# Altium PCB Quark.PcbDoc (part 2 of 3)
Units mil, origin at the board's own origin, x right, y up, seen from the top; angles counter-clockwise.
Board outline 1220.47 x 944.88 mil, 6 copper layers (Top1, Signal2, Gnd3, Power4, Signal5, Bottom6), stack 32.534 mil thick; 106 components, 182 nets, 776 pads, 404 vias.
Unrouted connection lines stored in the file: 82.
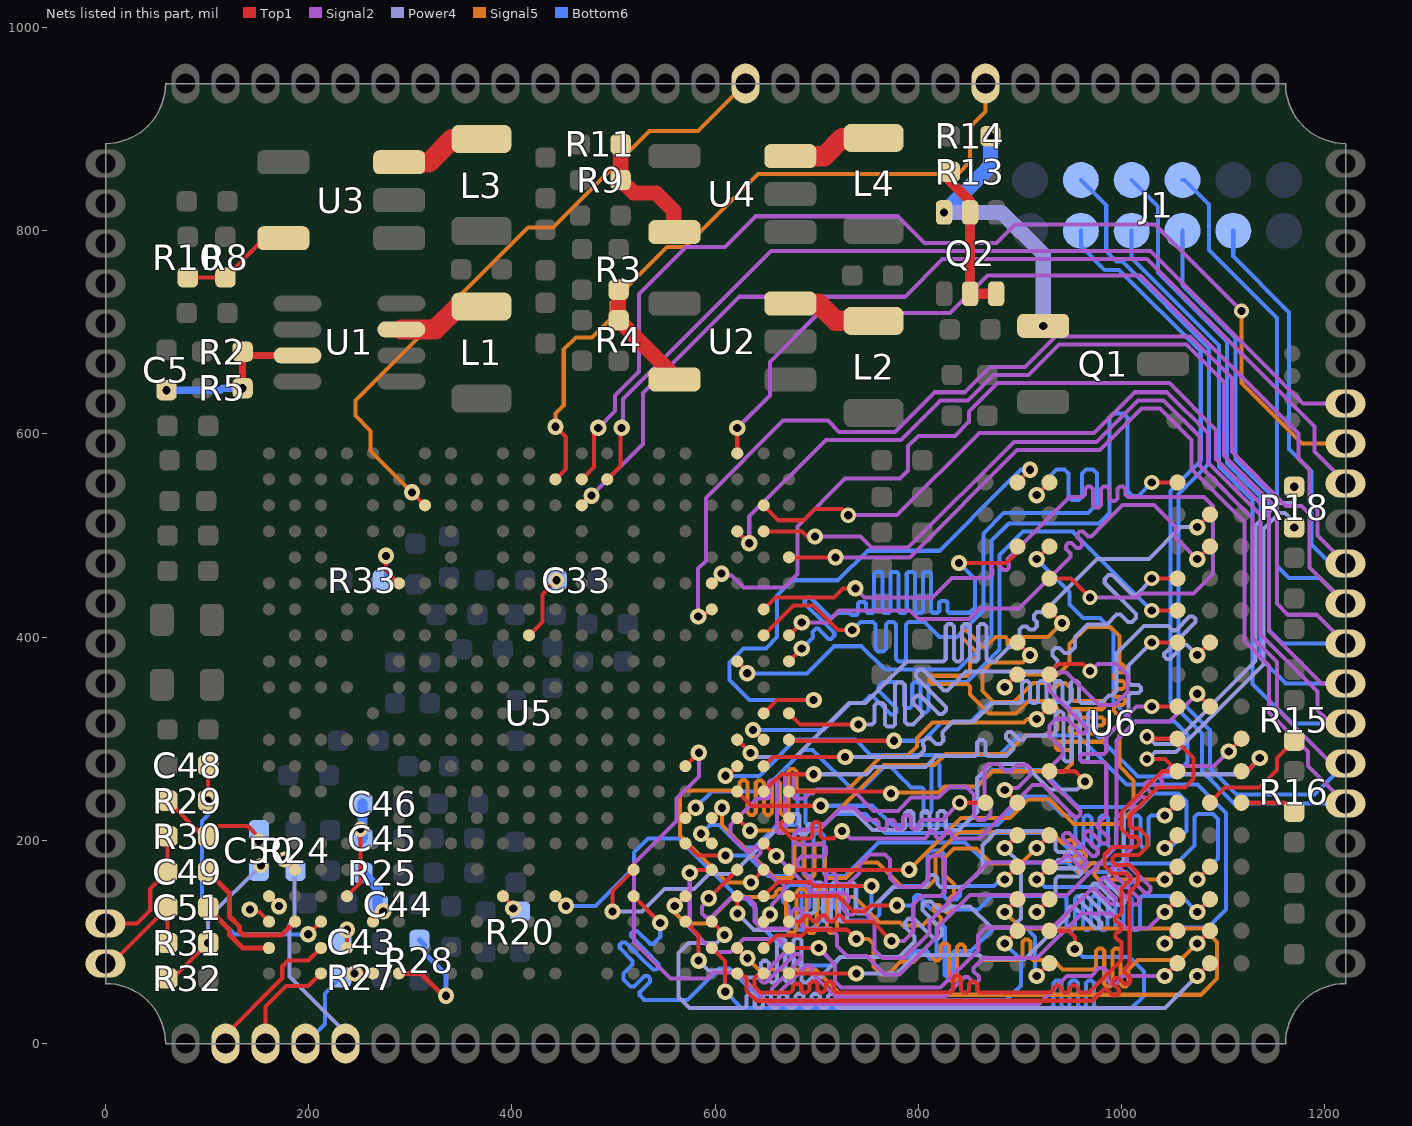
[diagram p6: the nets of this part, all layers, seen from the top]

## Via types
v1: diameter 16, hole 8, Top1 to Bottom6, tented both sides, 238 vias
v2: diameter 15, hole 8, Top1 to Bottom6, tented both sides, 166 vias

## Nets (pads, with @x,y where several pads share a name; then routed paths per layer and width w, separated by ;. In a path a pad name is that pad's centre, name@x,y a point inside that pad or via, vN(x,y) a via of type N, cw(c..) or ccw(c..) an arc to the next point about the centre after c; other vN are vias at no path point) (continued)
I2C0_SDA: pad.62 U5.C13 | length 992.3
  Top1 w4: U5.C13@468.77,529.72 v1(478.27,539.22) v1@481.27,542.22
  Signal2 w4: v1(478.27,539.22) 529,589.95 529,640.31 623.69,735 787,735 824,772 1025.25,772 1190,607.25 1190,582.63 1220.47,552.15 pad.62@1220.47,551.18
I2C1_SCL: pad.63 U5.B13 | length 1082.4
  Top1 w4: U5.B13@468.77,555.32 481,567.54 481,601 v1@486,606
  Signal2 w4: v1(485,606) 501.4,622.4 501.4,637.71 525,661.31 525,737.69 571.31,784 609.63,784 639.85,814.22 779.78,814.22 806,788 877,788 895,806 1033,806 v2(1118,721)
  Signal5 w4: v2(1118,721) 1118,650 1177.45,590.55 pad.63@1220.47,590.55
I2C1_SDA: pad.64 U5.B14 | length 919.1
  Top1 w4: U5.B14@493.77,555.32 507,568.54 507,605 v1(508,606)
  Signal2 w4: v1(508,606) 509.4,607.4 509.4,634.4 655,780 1028.57,780 1178.65,629.92 pad.64@1220.47,629.92
I2C2_SCL: pad.78 U5.B12 | length 708.1
  Top1 w4: U5.B12@442.77,555.32 453,565.54 453,597 v1(443,607)
  Signal5 w4: v1(443,607) 443,620 451,628 451,683 463,695 479,695 498,714 498,729.31 552.69,784 570.37,784 606.37,820 640.87,854.5 642.37,856 721.15,856 745.63,856 768.31,856 839,856 851,868 851,902 866.14,917.14 pad.78@866.14,944.88
I2C2_SDA: pad.84 U5.C7 | length 644.7
  Top1 w4: v1(301.61,542.52) U5.C7@314.41,529.72
  Signal5 w4: v1(301.61,542.52) 261,583.13 261,603 246,618 246,632.94 416.06,803 440.25,803 535.25,898 583.04,898 pad.84@629.92,944.88
IR-RX: pad.26 R24.1 U5.U2 | length 216.9
  Top1 w4: v1@173.96,183.5 v1(176.36,181.1) U5.U2@186.46,171
  Power4 w4: v1(176.36,181.1) 186,171.46 186,122 181,117 181,66 pad.26@236.22,10.78
KEYADC: pad.25 R27.2 U5.AA5 | length 97.6
  Top1 w4: v1(245.23,69) U5.AA5@263.23,69
  Bottom6 w4: pad.25@196.85,0 216,19.15 216,49 R27.2@232,65
LINEINL: U5.V1 | length 18.1
  Top1 w4: U5.V1@160.87,145 v1@173.66,132.2
  other v1: 170.66,135.2
LINEINR: U5.W1 | length 23.7
  Top1 w4: v1(142.07,131.8) 144.37,129.5 151.37,129.5 U5.W1@160.87,120
LINEOUTL: pad.24 U5.AA3 | length 104.5
  Top1 w4: pad.24@157.48,0 157.48,36.48 177.5,56.5 199.55,56.5 U5.AA3@212.05,69
LINEOUTR: pad.23 U5.Y3 | length 143.2
  Top1 w4: pad.23@118.11,1.42 118.11,8.42 173.96,64.27 173.96,75.96 179.5,81.5 199.55,81.5 U5.Y3@212.05,94
MBIAS: C48.1 R29.2 U5.W3 | length 272.2
  Top1 w4: v2(101,239) C48.1@101,274 ; v1(199.55,107.5) U5.W3@212.05,120
  Bottom6 w4: v2(101,239) 101,225 95,219 95,140 127.5,107.5 v1(199.55,107.5)
MIC1N: C51.2 pad.21 R31.2 | length 118.9
  Top1 w4: pad.21@0,78.74 5.74,78.74 C51.2@61,134 R31.2@61,99
MIC1P: C49.2 pad.20 R30.1 | length 129.3
  Top1 w4: pad.20@0,118.11 31,118.11 44,131.11 44,152 C49.2@61,169 R30.1@61,204
MICIN1N: C51.1 U5.Y1 | length 79.9
  Top1 w5: C51.1@101,134 101,133 122,112 122,107 135,94 U5.Y1@160.87,94
MICIN1P: C49.1 U5.W2 | length 132.8
  Top1 w5: C49.1@101,169 122,148 122,125 132,115 132,110.27 135.27,107 173.46,107 U5.W2@186.46,120
NetC5_1: C5.1 R2.1 R5.2 U1.7 | length 161.9
  Top1 w7: v2(135,645) R2.1@135,681 ; R2.1@138.8,677.2 U1.7@188.82,677.2
  Bottom6 w7: v2(60,643) 113,643 115,645 v2(135,645)
NetC33_1: C33.1 U5.H11 | length 65.5
  Top1 w4: U5.H11@416.77,401.77 430,415 430,442 v2(444,456)
NetC43_1: C43.1 U5.Y4 | length 18
  Top1 w4: U5.Y4@237.64,94 v1(237.64,112)
NetC44_2: C44.2 R25.2 U5.W5 | length 57.9
  Top1 w4: U5.W5@263.23,120 v1(273.33,130.1) v1@275.73,132.5
  Bottom6 w10: R25.2@253,168 268,153 C44.2@268,134
NetC45_2: C45.2 C46.2 U5.V4 | length 105.5
  Top1 w4: U5.V4@237.64,145 251,158.36 v2(251,211)
  Bottom6 w10: C45.2@253,202 C46.2@253,236
NetC50_1: C50.1 R31.1 R32.2 | length 152.4
  Top1 w4: R32.2@61,64 66,64 v2(101,99)
  Power4 w4: v2(101,99) 101,123.32 v2(153,175.31)
NetC50_2: C50.2 R29.1 R30.2 | length 113.2
  Top1 w4: R29.1@61,239 96,204 R30.2@101,204 101.34,204 111.34,214 140,214 v2@151,203
  other v2: 151,199
NetL1_1: L1.1 U1.3 | length 88.1
  Top1 w20: U1.3@291.18,702.8 324.49,702.8 346.97,725.28 L1.1@370,725.28
NetL2_1: L2.1 U2.3 | length 89
  Top1 w20: U2.3@674.06,728.4 701.6,728.4 718.72,711.28 L2.1@756,711.28
NetL3_1: L3.1 U3.3 | length 90.4
  Top1 w20: U3.3@289.06,867.4 318.4,867.4 341.28,890.28 L3.1@370,890.28
NetL4_1: L4.1 U4.3 | length 89.3
  Top1 w20: U4.3@674.06,873.4 707.4,873.4 725.28,891.28 L4.1@756,891.28
NetQ1_1: Q1.1 Q2.3 R14.1 | length 279
  Power4 w15: v2(825.41,818) 882,818 922.94,777.06 v2(922.94,706.4)
  Bottom6 w15: v2(825.41,818) 871,863.59 v2(871,893)
NetQ2_2: Q2.2 Q2.5 Q2.6 R13.2 | length 153.9
  Top1 w10: R13.2@831,858 831,849 851,829 Q2.2@851,818 Q2.5@851,738 Q2.6@876.59,738
NetR3_2: R3.2 R4.2 U2.5 | length 111.2
  Top1 w10: U2.5@560.06,653.6 U2.5@560.06,656.94
  Top1 w15: R3.2@505,742 R4.2@505,712 U2.5@560.06,656.94
NetR8_2: R8.2 R10.2 U3.5 | length 110
  Top1 w4: R10.2@81,754 R8.2@118,754 156.6,792.6 U3.5@175.06,792.6
NetR9_1: R9.1 R11.2 U4.5 | length 121.8
  Top1 w10: U4.5@559.19,798.6 U4.5@560.06,798.6
  Top1 w15: R11.2@507,885 R9.1@507,850 520,837 542,837 559.19,819.81 U4.5@559.19,798.6
NetR15_1: R15.1 U6.L8 | length 115.3
  Top1 w4: U6.L8@1087,237 1102,252 1136,252 1153,269 1153,281 R15.1@1170,298
NetR16_1: R16.1 U6.L9 | length 55.7
  Top1 w4: U6.L9@1118,237 1159.66,237 1168.66,228 R16.1@1170,228
NetR20_1: R20.1 U5.V10 | length 17.7
  Top1 w4: U5.V10@391.18,145 v1@403.68,132.5
  other v1: 401.28,132.9
NetR28_2: R28.2 U5.AA6 | length 121.1
  Top1 w5: U5.AA6@288.82,69 310.38,69 332.38,47 v1(335,47)
  Bottom6 w5: R28.2@309,102 313.84,97.16 313.84,89.16 335,68 v1(335,47)
NetR33_2: R33.2 U5.F6 | length 65.6
  Top1 w4: v1@276,484 276,465.77 U5.F6@288.82,452.95
  Bottom6 w4: R33.2@273,456 276,459 v1@276,484
  other v1: 276,480
SA0: U5.T17 U6.N3 | length 757
  Top1 w4: U5.T17@570.77,197 582.89,184.89 v1(610.11,184.89) ; v1(916.51,161.5) U6.N3@929.01,174
  Bottom6 w4: v1(610.11,184.89) 632.11,184.89 652,165 674.5,165 677,167.5 677,204.5 679.5,207 684.5,207 687,204.5 687,167.5 689.5,165 694.5,165 697,167.5 697,204.5 699.5,207 704.5,207 707,204.5 707,167.5 709.5,165 728,165 761,198 846,198 866,178 947,178 956,169 1005,169 1009,165 1009,158 1005,154 924.85,154 917.35,161.5 v1(916.51,161.5)
SA1: U5.U18 U6.P7 | length 831.6
  Top1 w4: v1(575,168) 577.3,170.3 582.64,170.3 583.34,171 U5.U18@596.77,171 ; v1(1042.5,129.5) U6.P7@1055,142
  Signal2 w4: v1(575,168) 575,114 599,90 615,90 628,103 662,103 670.29,94.71 670.29,91.32 644.6,65.63 644.6,62.23 646.86,59.97 650.25,59.97 677.64,87.36 678.53,88.25 681.92,88.25 684.19,85.98 684.19,82.59 655.91,54.31 655.91,50.92 658.17,48.66 661.57,48.66 688.96,76.04 689.84,76.93 693.24,76.93 695.5,74.67 695.5,71.28 695.5,69.5 718,47 827,47 837.5,57.5 841.36,61.36 845.32,65.32 848.71,65.32 853.87,60.16 857.26,60.16 859.52,62.42 859.52,65.82 854.37,70.97 854.37,74.37 855.5,75.5 864,84 917,84 961,128 989.97,128 1004.97,113 1026,113 v1(1042.5,129.5)
SA2: U5.V19 U6.P3 | length 793.4
  Top1 w4: U5.V19@621.77,145 622,144.77 v1(622,128) ; v1(916.51,129.5) U6.P3@929.01,142
  Power4 w4: v1(622,128) 638,112 670,112 677.5,119.5 680.33,122.33 685.99,127.99 ; 686,128 690,128 695.6,128 698,130.4 698,156.18 700.4,158.58 703.6,158.58 706,156.18 706,128 706,122.6 708.4,120.2 711.6,120.2 714,122.6 714,128 714,156.18 716.4,158.58 719.6,158.58 722,156.18 722,128 722,122.6 724.4,120.2 727.6,120.2 730,122.6 730,128 730,156.18 732.4,158.58 735.6,158.58 738,156.18 738,130.4 740.4,128 746,128 749,128 750.5,129.5 775,154 804,154 806,154 809,157 809,163 812,166 816,166 819,163 819,157 822,154 828,154 845,154 863,172 863,195 877,209 926,209 935,200 935,192.5 935,190.9 937.4,188.5 957.6,188.5 960,186.1 960,182.9 957.6,180.5 937.4,180.5 935,178.1 935,174.9 937.4,172.5 957.6,172.5 960,170.1 960,166.9 957.6,164.5 937.4,164.5 935,162.1 935,161 935,147.99 v1(916.51,129.5)
SA3: U5.V20 U6.N2 | length 758.1
  Top1 w4: U5.V20@647.77,145 661.77,159 693,159 697,155 v1(754,155) v1@750,159 ; v1(885.01,161.5) U6.N2@897.51,174
  Bottom6 w4: v1(754,155) 754,137 749,132 741,132 739,134 739,153 736,156 735,156 733,156 726.6,156 725,154.4 725,134.6 723.4,133 718.6,133 717,134.6 717,154.4 715.4,156 710.6,156 709,154.4 709,134.6 707.4,133 702.6,133 701,134.6 701,154.4 699.4,156 694.6,156 693,154.4 693,134.6 691.4,133 686.6,133 685,134.6 685,154.4 683.4,156 677,156 673,156 667,150 667,140 672,135 672,120 680,112 695,112 704,121 756,121 762,127 762,140 777,155 801,155 ; 803.4,155 801,155 ; v1(885.01,161.5) 881.01,161.5 874.51,155 856,155 844.2,155 841,151.8 841,145.2 837.8,142 828.2,142 825,145.2 825,155 825,186.8 821.8,190 812.2,190 809,186.8 809,158.2 805.8,155 801,155
SA4: U5.V21 U6.P8 | length 757.8
  Top1 w4: U5.V21@672.77,145 721,145 736,130 747,130 753,136 v1(779,136) ; v1(1074.5,129.5) U6.P8@1087,142
  Bottom6 w4: v1(779,136) 792,136 793.6,136 796,138.4 796,143.6 798.4,146 801.6,146 804,143.6 804,138.4 806.4,136 809,136 813,132 859,132 872,145 934,145 938,145 943.6,145 946,142.6 946,114.4 948.4,112 951.6,112 954,114.4 954,142.6 956.4,145 959.6,145 962,142.6 962,114.4 964.4,112 967.6,112 970,114.4 970,142.6 972.4,145 975.6,145 978,142.6 978,114.4 980.4,112 983.6,112 986,114.4 986,142.6 988.4,145 991.6,145 994,142.6 994,114.4 996.4,112 999.6,112 1002,114.4 1002,142.6 1004.4,145 1007.6,145 1010,142.6 1010,114.4 1012.4,112 1015.6,112 1018,114.4 1018,142.6 1020.4,145 1023,145 1059,145 v1(1074.5,129.5)
SA5: U5.Y19 U6.P2 | length 776.2
  Top1 w4: U5.Y19@621.77,94 v1(631.87,83.9) v1@634.27,81.5 ; v1(885.01,129.5) U6.P2@897.51,142
  Signal5 w4: v1(631.87,83.9) 642.77,73 698.63,73 723.63,48 1078,48 1094,64 1094,100 1081,113 901.51,113 v1(885.01,129.5)
SA6: U5.Y20 U6.R8 | length 776.2
  Top1 w4: U5.Y20@647.77,94 660.27,106.5 685.5,106.5 691,112 730,112 v1(739,103) ; v1(1074.5,98.5) U6.R8@1087,111
  Signal5 w4: v1@739,98 v1(739,103) 751,103 756,98 756,76 764,68 770,68 782.5,80.5 795.5,80.5 802,87 811.6,87 814,84.6 814,84.28 816.4,81.88 819.6,81.88 822,84.28 822,95.83 824.4,98.23 827.6,98.23 830,95.83 830,63.82 832.4,61.42 835.6,61.42 838,63.82 838,95.1 840.4,97.5 843.6,97.5 846,95.1 846,89.4 848.4,87 859,87 864,82 900.1,82 902.5,84.4 902.5,100.18 904.9,102.58 908.1,102.58 910.5,100.18 910.5,84.4 912.9,82 933,82 942,73 972.6,73 975,75.4 975,91.18 977.4,93.58 980.6,93.58 983,91.18 983,58.4 985.4,56 988.6,56 991,58.4 991,91.18 993.4,93.58 996.6,93.58 999,91.18 999,58.4 1001.4,56 1004.6,56 1007,58.4 1007,73 1016,82 1058,82 v1(1074.5,98.5)
SA7: U5.V15 U6.R2 | length 756.9
  Top1 w4: U5.V15@519.77,145 v1@546,118.77 ; v1(885.01,98.5) U6.R2@897.51,111
  Bottom6 w4: v1(546,118.76) 546,105 543.17,102.17 539.21,98.21 535.82,98.21 523.13,110.9 519.73,110.9 517.47,108.64 517.47,105.25 531.86,90.86 544.3,78.41 544.3,75.02 542.04,72.76 538.65,72.76 526.2,85.2 511.81,99.59 508.42,99.59 506.16,97.33 506.16,93.93 518.85,81.24 518.85,77.85 514.89,73.89 510,69 510,63 512.83,60.17 516.79,56.21 520.18,56.21 530.38,66.41 533.78,66.41 536.04,64.15 536.04,60.75 525.84,50.56 525.84,47.16 529.8,43.2 530,43 534,43 537,43 573,43 604,74 614,74 636.15,51.85 638.41,49.58 645,43 887,43 901,57 901,82.51 v1(885.01,98.5)
SA8: U5.W18 U6.T8 | length 794
  Top1 w4: U5.W18@596.77,120 609.27,107.5 v1(609.27,106.96) ; v1(1074.5,66.5) U6.T8@1087,79
  Power4 w4: v1(609.27,106.96) 601.32,99 574,99 564,89 564,46 575,35 627,35 628.6,35 631,37.4 631,46.6 633.4,49 636.6,49 639,46.6 639,37.4 641.4,35 644.6,35 647,37.4 647,46.6 649.4,49 652.6,49 655,46.6 655,37.4 657.4,35 660.6,35 663,37.4 663,46.6 665.4,49 668.6,49 671,46.6 671,37.4 673.4,35 676.6,35 679,37.4 679,46.6 681.4,49 684.6,49 687,46.6 687,37.4 689.4,35 692.6,35 695,37.4 695,46.6 697.4,49 700.6,49 703,46.6 703,37.4 705.4,35 708.6,35 711,37.4 711,46.6 713.4,49 716.6,49 719,46.6 719,37.4 721.4,35 723,35 1043,35 v1(1074.5,66.5)
SA9: U5.Y18 U6.R3 | length 757.8
  Top1 w4: U5.Y18@596.77,94 609.77,81 609.77,51.23 v1(610,51) ; U6.R3@929.01,111 948,111 954,105 v1(954,93)
  Bottom6 w4: v1(610,51) 626,35 929,35 930.6,35 933,37.4 933,59.6 935.4,62 938.6,62 941,59.6 941,37.4 943.4,35 946.6,35 949,37.4 949,59.6 951.4,62 954.6,62 957,59.6 957,37.4 959.4,35 962.6,35 965,37.4 965,59.6 967.4,62 970.6,62 973,59.6 973,37.4 975.4,35 981,35 982,35 1010,35 1022,47 1022,71 1008,85 962,85 v1(954,93)
SA10: U5.P19 U6.L7 | length 757.4
  Top1 w4: U5.P19@621.77,248 635.77,234 v1(704,234) ; v1(1042.5,224.5) U6.L7@1055,237
  Bottom6 w4: v1(704,234) 755,234 774,215 878,215 906,243 924,243 942.5,224.5 946.5,224.5 952.1,224.5 954.5,222.1 954.5,195.81 956.9,193.41 960.1,193.41 962.5,195.81 962.5,222.1 964.9,224.5 968.1,224.5 970.5,222.1 970.5,195.4 972.9,193 976.1,193 978.5,195.4 978.5,222.1 980.9,224.5 984.1,224.5 986.5,222.1 986.5,195.4 988.9,193 992.1,193 994.5,195.4 994.5,222.1 996.9,224.5 1000.1,224.5 1002.5,222.1 1002.5,195.4 1004.9,193 1008.1,193 1010.5,195.4 1010.5,222.1 1012.9,224.5 1016.1,224.5 1018.5,222.1 1018.5,195.4 1020.9,193 1024.1,193 1026.5,195.4 1026.5,222.1 1028.9,224.5 1030,224.5 v1(1042.5,224.5)
SA11: U5.N19 U6.R7 | length 757.7
  Top1 w4: v1@609.27,260.5 U5.N19@621.77,273 ; v1(1042.5,98.5) U6.R7@1055,111
  Bottom6 w4: v1(610.27,263.5) 643.5,263.5 679,299 738,299 753,284 880,284 899,303 957,303 1005,255 1075,255 1103,227 1103,132 1085,114 1058,114 v1(1042.5,98.5)
SA12: U5.R18 U6.N7 | length 775.9
  Top1 w4: U5.R18@596.77,222 v1(606.87,232.1) v1@609.27,234.5 ; v1(1042.5,161.5) U6.N7@1055,174
  Signal5 w4: v1(606.87,232.1) 606.87,215.13 659,163 673,163 675,163 678,166 678,194 681,197 685,197 688,194 688,166 691,163 695,163 698,166 698,194 701,197 705,197 708,194 708,166 711,163 729,163 744,178 760,178 784,154 809,154 817,162 817,185 840,208 931,208 941.63,197.37 945.03,197.37 948,200.34 951.39,200.34 953.65,198.08 953.65,194.68 948.99,190.01 944.32,185.35 944.32,181.95 946.58,179.69 949.98,179.69 954.64,184.36 959.31,189.02 962.7,189.02 964.97,186.76 964.97,183.37 960.3,178.7 955.63,174.03 955.63,170.64 957.89,168.38 961.29,168.38 965.96,173.04 970.62,177.71 974.02,177.71 976.28,175.45 976.28,172.05 973.31,169.08 973.31,165.69 977.5,161.5 v1(1042.5,161.5)
SA13: U5.V12 U6.T3 | length 758.1
  Top1 w4: U5.V12@442.77,145 v1@455.27,132.5 ; v1(916.51,66.5) U6.T3@929.01,79
  Bottom6 w4: v1(453.27,135.5) 482.5,135.5 520,173 520,188 534,202 564,202 621,145 628,145 640,133 640,121 684,77 716,77 724,85 792,85 798,91 802,91 808.4,91 810,89.4 810,85 811.6,83.4 816.4,83.4 818,85 818,91 818,114.4 819.6,116 824.4,116 826,114.4 826,91 826,67.6 827.6,66 832.4,66 834,67.6 834,89.4 835.6,91 841,91 852,91 875,114 906,114 915,105 915,68.01 v1(916.51,66.5)
SA14: U5.N17 U6.T7 | length 831.6
  Top1 w4: U5.N17@570.77,273 v1(584,286.23) ; v1(1042.5,66.5) U6.T7@1055,79
  Signal2 w4: v1(584,286.23) 584,263 562,241 562,219 520,177 520,100 556,64 592,64 598,70 622,70 653,39 919,39 946.5,66.5 968,66.5 970.4,66.5 974,70.1 974,70.65 977.6,74.25 982.4,74.25 986,70.65 986,66.5 986,62.35 989.6,58.75 994.4,58.75 998,62.35 998,62.9 1001.6,66.5 1007,66.5 v1(1042.5,66.5)
SA15: U5.R17 U6.M7 | length 756.8
  Top1 w4: U5.R17@570.77,222 v1(580.87,232.1) v1@583.27,234.5 ; v1(1042.5,192.5) U6.M7@1055,205
  Bottom6 w4: v1(580.87,232.1) 596.77,248 646,248 687,289 696,289 736,249 743,249 766,272 773,272 785,260 787.83,257.17 793,252 797,252 803.4,252 805,250.4 805,228.6 806.6,227 811.4,227 813,228.6 813,252 813,274.4 814.6,276 819.4,276 821,274.4 821,253.6 822.6,252 828,252 856,252 873,269 921,269 957,233 1018,233 1031,246 1056,246 1064,238 1064,209 1047.5,192.5 v1(1042.5,192.5)
SBA0: U5.W17 U6.M2 | length 794
  Top1 w4: U5.W17@570.77,120 583.77,107 v1(583.77,81.54) ; v1(885.01,192.5) U6.M2@897.51,205
  Power4 w4: v1(583.77,81.54) 593.32,72 616,72 623,65 642.6,65 645,67.4 645,79.04 647.4,81.44 650.6,81.44 653,79.04 653,62.4 655.4,60 658.6,60 661,62.4 661,101.6 663.4,104 666.6,104 669,101.6 669,62.4 671.4,60 674.6,60 677,62.4 677,101.6 679.4,104 682.6,104 685,101.6 685,62.4 687.4,60 690.6,60 693,62.4 693,62.6 695.4,65 703,65 723,85 781,85 794.5,98.5 796.2,100.2 796.2,105.29 787.15,114.34 787.15,119.43 790.54,122.82 795.63,122.82 807.23,111.23 814.77,103.69 819.86,103.69 823.25,107.08 823.25,112.17 815.71,119.71 804.12,131.31 804.12,136.4 807.51,139.79 812.6,139.79 821.65,130.74 826.74,130.74 828.5,132.5 831,135 851,135 872,114 892,114 901,123 901,176.51 v1(885.01,192.5)
SBA1: U5.T18 U6.N8 | length 757.8
  Top1 w4: v1@584.27,209.5 U5.T18@596.77,197 ; v1(1074.5,161.5) U6.N8@1087,174
  Bottom6 w4: v1(586.27,206.5) 594.77,215 604,215 626,193 639,193 661,215 676,215 678.6,215 681,217.4 681,245.6 683.4,248 686.6,248 689,245.6 689,217.4 691.4,215 697,215 701,215 707,215 718,226 748,226 767,207 932,207 962,177 1054,177 1072,195 1072,223 1075,226 1090,226 1095,221 1095,182 v1(1074.5,161.5)
SBA2: U5.V17 U6.M3 | length 776
  Top1 w4: v1@558.27,132.5 U5.V17@570.77,145 ; v1(916.51,192.5) U6.M3@929.01,205
  Signal5 w4: v1(560.27,135.5) 560.27,128.73 571,118 591,118 617,144 655,144 657,144 660,147 660,149 663,152 667,152 670,149 670,144 670,112 673,109 677,109 680,112 680,144 680,149 683,152 687,152 690,149 690,144 690,112 693,109 697,109 700,112 700,144 700,149 703,152 707,152 710,149 710,144 710,112 713,109 717,109 720,112 720,141 723,144 727,144 737,144 762,119 782,119 785,116 804,116 809.5,121.5 812.9,121.5 816.58,117.83 819.97,117.83 822.23,120.09 822.23,123.48 816.86,128.86 814.97,130.75 814.97,134.14 817.23,136.4 820.63,136.4 822.51,134.51 827.89,129.14 831.28,129.14 833.55,131.4 833.55,134.8 829.87,138.47 829.87,141.87 835,147 835,157 825,167 825,181.69 835.31,192 857,192 872,177 901.01,177 v1(916.51,192.5)
SCAS: U5.U15 U6.K3 | length 794.4
  Top1 w4: v1(499,130) 499,150.23 U5.U15@519.77,171 ; U6.K3@929.01,268 954,268 v1(964,258)
  Power4 w4: v1(499,130) 528,130 550,152 579,152 594,167 617,167 666,216 673.4,216 675,217.6 675,224.4 676.6,226 681.4,226 683,224.4 683,207.6 684.6,206 689.4,206 691,207.6 691,214.4 692.6,216 708,216 721,229 736,229 755,210 783,210 784.6,210 787,212.4 787,226.62 789.4,229.02 792.6,229.02 795,226.62 795,212.4 797.4,210 800.6,210 803,212.4 803,226.62 805.4,229.02 808.6,229.02 811,226.62 811,212.4 813.4,210 816.6,210 819,212.4 819,226.62 821.4,229.02 824.6,229.02 827,226.62 827,212.4 829.4,210 830,210 840,210 858,228 858,261.31 871.69,275 904,275 929,250 956,250 v1(964,258)
SCK_N: R18.1 U5.AA20 U6.K7 | length 1161.3
  Top1 w4: U5.AA20@647.77,69 646.24,67.47 641.9,67.47 638.77,64.34 638.77,56.23 644.9,50.1 674.37,50.1 676.77,52.5 676.77,56.45 679.17,58.85 682.37,58.85 684.77,56.45 684.77,52.5 687.17,50.1 690.37,50.1 692.77,52.5 692.77,58.6 695.17,61 698.37,61 700.77,58.6 700.77,52.5 703.17,50.1 706.37,50.1 708.77,52.5 708.77,58.6 711.17,61 714.37,61 716.77,58.6 716.77,52.5 719.17,50.1 831.6,50.1 834,52.5 834,64.66 836.4,67.06 839.6,67.06 842,64.66 842,52.5 844.4,50.1 847.6,50.1 850,52.5 850,58.78 852.4,61.18 855.6,61.18 858,58.78 858,52.5 860.4,50.1 930.6,50.1 933,52.5 933,54.78 935.4,57.18 938.6,57.18 941,54.78 941,52.5 943.4,50.1 946.6,50.1 949,52.5 949,54.78 951.4,57.18 954.6,57.18 957,54.78 957,52.5 959.4,50.1 968.1,50.1 1000.1,82.1 1000.1,99.6 997.7,102 996.5,102 994.1,104.4 994.1,107.6 996.5,110 997.7,110 1000.1,112.4 1000.1,115.6 997.7,118 996.5,118 994.1,120.4 994.1,123.6 996.5,126 997.7,126 1000.1,128.4 1000.1,152.45 1008.24,160.59 1008.24,164.48 1005.18,167.54 990.84,167.54 983.1,175.28 983.1,185.79 990.84,193.54 1014.04,193.54 1017.1,196.59 1017.1,200.48 1014.04,203.54 1007.84,203.54 1000.1,211.28 1000.1,227.81 ; 1000,227.81 1040.19,268 U6.K7@1055,268 1043,280 v2(1025,280) v2@1025.25,279.75
  Signal2 w4: v2(1025,280) v2@1025.84,280
  Power4 w4: v2(1025,280) 1025.84,280 1032.84,287 1053.77,287 1139.89,373.12 1139.89,506.62 1155.27,522 1161,522 1170,513 v2(1170,508)
SCK_P: R18.2 U5.AA19 U6.J7 | length 1160.9
  Top1 w4: U5.AA19@621.77,69 623.3,67.47 627.65,67.47 630.77,64.34 630.77,51.91 640.59,42.1 971.41,42.1 982.45,53.13 985.84,53.13 991.64,47.33 995.03,47.33 997.29,49.6 997.29,52.99 991.5,58.79 991.5,62.18 993.76,64.45 997.15,64.45 1002.95,58.65 1006.35,58.65 1008.61,60.91 1008.61,64.3 1002.81,70.1 1002.81,73.5 1008.1,78.79 1008.1,149.14 1016.24,157.28 1016.24,167.79 1008.5,175.54 994.16,175.54 991.1,178.59 991.1,182.48 994.16,185.54 1017.36,185.54 1025.1,193.28 1025.1,203.79 1017.36,211.54 1011.16,211.54 1008.1,214.59 1008.1,224.1 1036.1,252.1 1062.4,252.1 1070.8,260.5 1070.8,281.2 1055,297 U6.J7@1055,300 1027,300 v2(1025,302)
  Signal2 w4: v2(1025,302) v2@1025.84,302
  Power4 w4: v2(1025,302) 1025.84,302 1032.84,295 1050.46,295 1131.89,376.43 1131.89,509.94 1153.95,532 1167.66,532 1170,534.34 v2(1170,548)
SCKE0: U5.AA21 U6.K9 | length 795.2
  Top1 w4: U5.AA21@672.77,69 v1(739,69) ; U6.K9@1118,268 1123.5,268 1136,280.5 v1(1136,281)
  Power4 w4: v1(739,69) 779,69 797,87 860,87 864,83 905,83 946.5,124.5 947.63,125.63 947.63,129.03 947.62,132.43 949.88,134.7 953.27,134.7 954.99,132.98 974.37,113.6 977.77,113.6 980.03,115.86 980.03,119.25 960.64,138.64 958.93,140.35 958.93,143.75 961.19,146.01 964.59,146.01 966.3,144.3 985.69,124.91 989.08,124.91 991.34,127.17 991.34,130.57 971.96,149.96 970.24,151.67 970.24,155.06 972.51,157.32 975.9,157.32 977.61,155.61 997,136.22 1000.4,136.22 1002.66,138.49 1002.66,141.88 984.97,159.57 984.97,162.97 986,164 1002,180 1002,229 1038,265 1120.5,265 1136,280.5 v1(1136,281)
SCKE1: U5.Y21 U6.J9 | length 832.2
  Top1 w4: U5.Y21@672.77,94 v1(702,94) ; v1(1105.5,287.5) U6.J9@1118,300
  Signal2 w4: v1(702,94) 718,78 718,61 724,55 822,55 859,92 859,107 866,114 932.31,114 970.45,152.13 973.84,152.13 988.47,137.5 991.87,137.5 994.13,139.76 994.13,143.16 979.5,157.79 979.5,161.18 981.76,163.44 985.15,163.45 1011.69,136.91 1015.08,136.91 1017.34,139.17 1017.34,142.57 993.81,166.1 990.81,169.1 990.81,172.5 993.07,174.76 996.47,174.76 1023,148.22 1026.4,148.22 1028.66,150.49 1028.66,153.88 1005.12,177.42 1005.12,186.81 1010,191.69 1010,234 1018.5,242.5 ; 1018.5,242.5 1021.9,242.5 1022.76,241.64 1026.16,241.64 1028.42,243.9 1028.42,247.3 1025.86,249.86 1023.3,252.42 1023.3,255.81 1025.56,258.08 1028.95,258.08 1031.51,255.51 1034.08,252.95 1037.47,252.95 1039.73,255.22 1039.73,258.61 1038.87,259.47 1038.87,262.87 1040,264 1049,273 1091,273 v1(1105.5,287.5)
SCS0: U5.W20 U6.L2 | length 760.7
  Top1 w4: U5.W20@647.77,120 647.77,120.39 654,126.61 v1(654,127) ; v1(885.01,249.5) U6.L2@897.51,237
  Signal2 w4: v1@655.9,128.9 655.9,136.9 668,149 668,156 664,160 660,160 641,179 640.18,179.82 640.18,183.21 644.63,187.66 644.63,191.05 642.37,193.32 638.97,193.32 634.53,188.87 631.13,188.87 630,190 615,205 615,215 641,241 651.4,241 653,242.6 653,257.4 654.6,259 659.4,259 661,257.4 661,208.6 662.6,207 667.4,207 669,208.6 669,263.69 670.6,265.29 675.4,265.29 677,263.69 677,242.6 678.6,241 688,241 693,246 696.2,246 700.2,250 735,250 756,229 780,229 793,242 820,242 831,253 847,253 855,245 855,224 859,220 865,220 871,226 871,239 865,245 865,271 869,275 879,275 886,268 891,268 897,274 907,274 910,271 910,264 897.66,251.66 887.17,251.66 v1(885.01,249.5)
SCS1: U5.W21 U6.L1 | length 831
  Top1 w4: U5.W21@672.77,120 682.37,120 683.97,120 686.37,122.4 686.37,123.62 688.77,126.02 691.97,126.02 694.37,123.62 694.37,122.4 696.77,120 699.97,120 702.37,122.4 702.37,123.62 704.77,126.02 707.97,126.02 710.37,123.62 710.37,122.4 712.77,120 715.97,120 718.37,122.4 718.37,123.62 720.77,126.02 723.97,126.02 726.37,123.62 726.37,121.63 728,120 754.67,120 v1(773.67,101) ; v2(840.75,237) U6.L1@866.02,237
  Signal2 w4: v1(773.67,101) 786,101 795,110 795,136.66 803.34,145 822,145 826,149 826,181 822,185 814,185 810,181 810,162 802,154 781,154 772,163 772,181 767,186 752,186 742,176 742,168 731,157 722,157 719,160 719,166 714.66,170.34 711.34,170.34 709,168 709,159 706,156 700,156 681,175 681,180 685,184 706.66,184 709,186.34 709,193 706,196 681,196 678,199 678,207 681.5,210.5 702.5,210.5 724,232 737,232 749,220 759,220 761,218 761,213 763,211 767,211 769,213 769,218 771,220 775,220 777,218 777,213 779,211 783,211 785,213 785,222.69 787,224.69 791,224.69 793,222.69 793,213 795,211 799,211 801,213 801,218 803,220 823.75,220 v2(840.75,237)
SDC0-CLK: J1.4 pad.55 U5.D20 | length 1716.6
  Top1 w4: U5.D20@647.77,504.13 685.66,504.13 690.79,499 v1(698.4,499)
  Signal2 w4: v1(698.4,499) 743,499 754,488 790,488 894,592 975.31,592 1016.31,633 1041.37,633 1077,597.37 1077,568.75 1129,516.75 1129,399.31 1153,375.31 1153,329.31 1206.72,275.59 pad.55@1220.47,275.59
  Bottom6 w4: J1.4@960,850 985,825 985,779.41 994.88,769.53 1000.78,769.53 1086,684.31 1086,570.69 1056,540.69 1056,339.31 1087,308.31 1087,271.31 1113.31,245 1189.88,245 pad.55@1220.47,275.59
SDC0-CMD: J1.6 pad.57 U5.F18 | length 1593.2
  Top1 w4: U5.F18@596.77,452.95 v1(606.27,462.45) v1@609.27,465.45
  Signal2 w4: v1(606.27,462.45) 608.03,460.69 616.31,460.69 628,449 668,449 681,462 681,509 728,556 781.84,556 790,564.16 790,588 800,598 836,598 850,612 850,622 878,650 1047,650 1093,604 1093,575.37 1145,523.37 1145,406 1196.67,354.33 pad.57@1220.47,354.33
  Bottom6 w4: J1.6@1010,850 1036.09,823.91 1036.09,758.91 1104,691 1104,571.31 1136.66,538.65 ; 1137,538.65 1137,379 1161.67,354.33 pad.57@1220.47,354.33
SDC0-D0: J1.9 pad.60 U5.A19 | length 1252.5
  Top1 w4: U5.A19@621.77,580.91 v1(621.77,605.77)
  Signal2 w4: v1(621.77,605.77) 654,638 654,671 702,719 831,719 868,756 1018.63,756 1174,600.63 1174,576 1185,565 1185,533 1193,525 1193,499.91 pad.60@1220.47,472.44
  Bottom6 w4: J1.9@1110,800 1110,774.73 1165,719.73 1165,585 1187,563 1187,491 1201.58,476.42 1216.49,476.42 pad.60@1220.47,472.44
SDC0-D1: J1.7 pad.58 U5.D19 | length 1429.7
  Top1 w4: U5.D19@621.77,504.13 v1(633.57,492.34) v1@634.57,491.34
  Signal2 w4: v1(633.57,492.34) 633.57,518.57 709,594 783,594 822,633 849,633 874,658 908.31,658 938.31,688 1064,688 1101,651 1101,578.69 1153,526.69 1153,433 1164,422 1192.17,422 pad.58@1220.47,393.7
  Bottom6 w4: J1.7@1060,800 1060,746.31 1112,694.31 1112,574.97 1145,541.97 1145,407 1158.3,393.7 pad.58@1220.47,393.7
SDC0-D2: J1.5 pad.56 U5.C20 | length 1470.4
  Top1 w4: U5.C20@647.77,529.72 662.5,515 687,515 698,526 725,526 v2(731,520)
  Signal2 w4: v2(731,520) 779,520 860,601 973,601 1013,641 1044.69,641 1085,600.69 1085,572.06 1137,520.06 1137,402.63 1193,346.63 1193,328 1201.53,319.47 1215.96,319.47 pad.56@1220.47,314.96
  Bottom6 w4: J1.5@1010,800 1010,773 1096,687 1096,568 1129,535 1129,354 1168.04,314.96 pad.56@1220.47,314.96
SDC0-D3: J1.3 pad.54 U5.E21 | length 1659.3
  Top1 w4: U5.E21@672.77,478.54 v1(718.54,478.54)
  Signal2 w4: v1(718.54,478.54) 791.86,478.54 897.31,584 978.63,584 1019.63,625 1038.06,625 1069,594.06 1069,565.43 1121,513.43 1121,396 1145,372 1145,326 1183.5,287.5 1183.5,273.19 pad.54@1220.47,236.22
  Bottom6 w4: J1.3@960,800 960,785 983.47,761.53 997.47,761.53 1078,681 1078,574 1048,544 1048,336 1079,305 1079,268 1110.78,236.22 pad.54@1220.47,236.22
SDC0-DET: J1.8 pad.59 U5.G18 | length 1525
  Top1 w4: v1(583.36,420.36) 585.66,422.66 589.9,422.66 594.61,427.36 U5.G18@596.77,427.36
  Signal2 w4: v1(583.36,420.36) 583.36,467.36 591,475 591,537 667,613 711,613 722,602 777,602 816,641 845.69,641 870.69,666 905,666 935,696 1067.31,696 1109,654.31 1109,582 1162,529 1177,529 1185,521 1185,468.54 pad.59@1220.47,433.07
  Bottom6 w4: J1.8@1060,850 1062,850 1086,826 1086,781 1153,714 1153,470 1165,458 1195.54,458 pad.59@1220.47,433.07
SDQ0: U5.N20 U6.F8 | length 794
  Top1 w4: U5.N20@647.77,273 656.77,282 v1(728,282) ; v1(1074.5,382.24) U6.F8@1087,394.74
  Power4 w4: v1(728,282) 799,282 804,287 805.41,288.41 805.41,292.66 804.71,293.36 804.71,297.61 807.54,300.44 811.78,300.44 814.61,297.61 817.44,294.78 821.68,294.78 824.51,297.61 824.51,301.85 823.8,302.56 823.8,306.8 828.5,311.5 834,317 855,317 873,335 898,335 899.6,335 902,337.4 902,354.6 904.4,357 907.6,357 910,354.6 910,337.4 912.4,335 915.6,335 918,337.4 918,354.6 920.4,357 923.6,357 926,354.6 926,337.4 928.4,335 931.6,335 934,337.4 934,354.6 936.4,357 939.6,357 942,354.6 942,337.4 944.4,335 947.6,335 950,337.4 950,354.6 952.4,357 955.6,357 958,354.6 958,337.4 960.4,335 966,335 974,335 980,335 982.83,337.83 987.5,342.5 990.5,342.5 995,347 995,384 1022,411 1045.74,411 1048.87,407.87 1050,406.74 1053.4,406.74 1066.97,420.32 1070.37,420.32 1072.63,418.05 1072.63,414.66 1057.36,399.38 1042.08,384.11 1042.08,380.72 1044.34,378.45 1047.74,378.45 1061.65,392.37 1064.37,392.37 v1(1074.5,382.24)
SDQ1: U5.P21 U6.F2 | length 776.6
  Top1 w4: U5.P21@672.77,248 771,248 v1(773,246) ; U6.F2@897.51,394.74 v1(910.01,382.24)
  Signal5 w4: v1(773,246) 774,247 820,247 826,253 858,253 873,268 944,268 951,275 951,286.6 948.6,289 937.29,289 934.89,291.4 934.89,294.6 937.29,297 980.6,297 983,299.4 983,302.6 980.6,305 951,305 948.93,307.07 948.93,310.93 951,313 980.6,313 983,315.4 983,318.6 980.6,321 951,321 949,323 949,327 951,329 980.6,329 983,331.4 983,334.6 980.6,337 953.4,337 951,339.4 951,349 945,355 939.4,355 937,352.6 937,352.27 934.6,349.87 931.4,349.87 929,352.27 929,352.6 926.6,355 913,355 894,336 874,336 863,347 863,366 872,375 902.77,375 v1(910.01,382.24)
SDQ2: U5.P20 U6.F7 | length 795
  Top1 w4: U5.P20@647.77,248 664.77,265 v1(697,265) ; v2(1029.73,394.74) U6.F7@1055,394.74
  Power4 w4: v1(697,265) 749,265 756,272 807,272 818,283 854,283 855.6,283 858,285.4 858,296.18 860.4,298.58 863.6,298.58 866,296.18 866,285.4 868.4,283 874,283 882,283 887,283 889.83,285.83 893.79,289.79 893.79,293.18 886.17,300.8 886.17,304.2 888.43,306.46 891.82,306.46 899.45,298.84 902.84,298.84 904,300 907,303 931,303 932.6,303 935,305.4 935,324.6 937.4,327 940.6,327 943,324.6 943,303 943,279.82 945.4,277.42 948.6,277.42 951,279.82 951,303 951,324.6 953.4,327 956.6,327 959,324.6 959,303 959,279.82 961.4,277.42 964.6,277.42 967,279.82 967,303 967,324.6 969.4,327 972.6,327 975,324.6 975,305.4 977.4,303 978,303 986,303 1007,324 1007,340 1007,342.6 1009.4,345 1016.6,345 1019,347.4 1019,350.6 1016.6,353 1009.4,353 1007,355.4 1007,357 1007,372.01 v2(1029.73,394.74)
SDQ3: U5.U21 U6.G2 | length 776.7
  Top1 w4: U5.U21@672.77,171 v1(791,171) ; v1(885.01,350.74) U6.G2@897.51,363.24
  Signal5 w4: v1(791,171) 842,222 890,222 908,240 929,240 953,216 997,216 1012,231 1012,259 998,273 998,322.6 995.6,325 994.82,325 992.42,327.4 992.42,330.6 994.82,333 1001.18,333 1003.58,335.4 1003.58,338.6 1001.18,341 994.82,341 992.42,343.4 992.42,346.6 994.82,349 1001.18,349 1003.58,351.4 1003.58,354.6 1001.18,357 994.82,357 992.42,359.4 992.42,362.6 994.82,365 1001.18,365 1003.58,367.4 1003.58,370.6 1001.18,373 1000.4,373 998,375.4 998,401 989,410 966,410 949,393 949,374.69 937.31,363 897.27,363 v1(885.01,350.74)
SDQ4: U5.R19 U6.E3 | length 775.7
  Top1 w4: U5.R19@621.77,222 v1(634.27,209.5) ; U6.E3@929.01,426.24 v1(941.51,413.74)
  Signal5 w4: v1(634.27,209.5) 701.5,209.5 766,274 816,274 827,285 887,285 905,303 930.82,303 937,309.18 937,329 929,337 908.25,337 896.25,325 869.75,325 851,343.75 851,351.6 848.6,354 813.4,354 811,356.4 811,359.6 813.4,362 848.6,362 851,364.4 851,375 857.63,381.63 857.63,385.03 841.93,400.72 841.93,404.12 844.2,406.38 847.59,406.38 863.29,390.68 866.68,390.68 876,400 885.6,400 888,397.6 888,392.64 890.4,390.24 893.6,390.24 896,392.64 896,397.6 898.4,400 927.77,400 v1(941.51,413.74)
SDQ5: U5.T20 U6.H7 | length 830.9
  Top1 w4: U5.T20@647.77,197 v1(660.27,184.5) ; v2(1029.73,331.75) U6.H7@1055,331.75
  Signal2 w4: v1(660.27,184.5) 660.27,184.41 696.69,148 728,148 731.23,144.77 731.23,139.68 727.13,135.58 727.13,130.49 730.52,127.1 735.61,127.1 739.71,131.2 744.8,131.2 746.5,129.5 757,119 757,92 765,84 786,84 811,109 811,120.31 868.69,178 938,178 944.79,184.79 948.18,184.79 959.63,173.34 963.03,173.34 965.29,175.6 965.29,178.99 952.14,192.14 942.58,201.71 942.58,205.1 944.84,207.36 948.23,207.36 970.95,184.65 974.34,184.65 976.6,186.91 976.6,190.31 963.46,203.46 963.46,206.47 966.1,209.11 969.11,209.11 981.34,196.88 984.74,196.88 987,199.14 987,202.54 976.47,213.07 976.47,216.47 985,225 985,274.6 982.6,277 961.49,277 959.09,279.4 959.09,282.6 961.49,285 982.6,285 985,287.4 985,302 1014.75,331.75 v2(1029.73,331.75)
SDQ6: U5.U19 U6.H8 | length 831.5
  Top1 w4: v1(593.77,143) U5.U19@621.77,171 ; v1(1074.5,344.25) U6.H8@1087,331.75
  Signal2 w4: v1(593.77,143) 593.77,141.43 587,134.66 587,128 591,124 596,124 615,143 633,143 639,137 639,120 646,113 670.29,113 672.29,113 675.29,116 675.29,129.36 678.29,132.36 682.29,132.36 685.29,129.36 685.29,116 688.29,113 695,113 714,113 720,107 720,96 730,86 749,86 767,68 781.31,68 819,105.69 819,114 851,146 947,146 995,194 995,298 1014,317 1047.25,317 v1(1074.5,344.25)
SDQ7: U5.U20 U6.H3 | length 775
  Top1 w4: v1(635.27,158.5) U5.U20@647.77,171 ; v1(916.51,319.25) U6.H3@929.01,331.75
  Signal5 w4: v1(635.27,158.5) 611.5,158.5 565.27,204.73 565.27,244.27 570,249 621.6,249 624,251.4 624,256.72 626.4,259.12 629.6,259.12 632,256.72 632,227.4 634.4,225 637.6,225 640,227.4 640,256.6 642.4,259 645.6,259 648,256.6 648,227.4 650.4,225 653.6,225 656,227.4 656,256.6 658.4,259 661.6,259 664,256.6 664,227.4 666.4,225 669.6,225 672,227.4 672,267.69 674.4,270.09 677.6,270.09 680,267.69 680,251.4 682.4,249 729.69,249 763.69,283 789,283 798.5,292.5 798.5,300.5 814,316 904,316 907.25,319.25 v1(916.51,319.25)
SDQ8: U5.J19 U6.A7 | length 757.8
  Top1 w4: U5.J19@621.77,376.18 v1@634.57,363.39 ; v2(1029.73,552.22) U6.A7@1055,552.22
  Bottom6 w4: v1(631.57,364.39) 690.39,364.39 717,391 744,391 767,368 839,368 872,401 872,495 889,512 978,512 988,522 988,616 992,620 1002,620 1006,616 1006,544 1011,539 1016.51,539 v2(1029.73,552.22)
SDQ9: U5.H20 U6.A3 | length 757.7
  Top1 w4: U5.H20@647.77,401.77 677,431 697,431 721,407 v2(735,407) ; v1(916.51,539.72) U6.A3@929.01,552.22
  Bottom6 w4: v2(735,407) 743,415 748,415 755.5,415 758,412.5 758,388.31 760.5,385.81 765.5,385.81 768,388.31 768,412.5 770.5,415 775.5,415 778,412.5 778,378.5 780.5,376 785.5,376 788,378.5 788,412.5 790.5,415 798,415 806,415 821,400 837.94,400 864,426.06 864,502 884,522 967,522 976,531 976,561 972,565 965,565 961,561 961,538 958,535 951,535 948,538 948,561 944,565 936,565 931,560 931,554.21 v1(916.51,539.72)
SDQ10: U5.H21 U6.C8 | length 542
  Top1 w4: U5.H21@672.77,401.77 v1(685.27,414.27) ; v1(1074.5,476.73) U6.C8@1087,489.23
  Signal2 w4: v1(685.27,414.27) 710.27,414.27 722,426 792,426 800,418 850,418 860,428 899,428 945,474 945.89,474.89 949.85,478.85 949.85,482.24 945.16,486.93 945.16,490.33 947.42,492.59 950.81,492.59 955.5,487.9 958.9,487.9 961.16,490.16 961.16,493.55 956.47,498.25 956.47,501.64 958.73,503.9 962.13,503.9 966.82,499.21 970.21,499.21 974.17,503.17 977,506 1001,530 1032,530 1053,509 1053,498.23 v1(1074.5,476.73)
SDQ11: U5.J21 U6.C2 | length 757.2
  Top1 w4: U5.J21@672.77,376.18 v1(685.27,388.68) ; v1(840,473) 887,473 897.51,483.51 U6.C2@897.51,489.23
  Bottom6 w4: v1(685.27,388.68) 694.8,398.2 696.49,399.9 696.49,402.16 695.83,402.82 695.83,405.09 699.23,408.48 701.49,408.48 703.28,406.69 711.61,398.36 713.87,398.36 717.27,401.76 717.27,404.02 708.94,412.35 688.19,433.1 688.19,435.36 691.58,438.75 693.84,438.75 713.46,419.14 715.73,419.14 720.25,423.66 720.59,424 724.59,424 732.11,424 732.59,423.52 734.19,421.92 738.99,421.92 740.59,423.52 740.59,424 740.59,433.04 742.19,434.64 746.99,434.64 748.59,433.04 748.59,425.6 750.19,424 754.99,424 756.59,425.6 756.59,462.4 758.19,464 762.99,464 764.59,462.4 764.59,425.6 766.19,424 770.99,424 772.59,425.6 772.59,462.4 774.19,464 778.99,464 780.59,462.4 780.59,425.6 782.19,424 786.99,424 788.59,425.6 788.59,462.4 790.19,464 794.99,464 796.59,462.4 796.59,425.6 798.19,424 802.99,424 804.59,425.6 804.59,462.4 806.19,464 810.99,464 812.59,462.4 812.59,425.6 814.19,424 818.99,424 820.59,425.6 820.59,433.89 822.19,435.49 826.99,435.49 828.59,433.89 828.59,425.6 830.19,424 836.59,424 844.59,424 850.63,424 856,429.37 856,433.37 856,441.37 856,449.37 856,457 853.17,459.83 847.51,465.49 841.86,471.14 841,472 v1(840,473)
SDQ12: U5.L20 U6.A2 | length 579.2
  Top1 w4: U5.L20@647.77,325 660.77,338 v1(697,338) ; U6.A2@897.51,552.22 v1(910.01,564.72)
  Bottom6 w4: v1(697,338) 634,338 614,358 614,375 628,389 650,389 661,400 661,441 676,456 721,456 750,485 821,485 885,549 900.72,564.72 v1(910.01,564.72)
SDQ13: U5.L21 U6.D7 | length 795.3
  Top1 w4: U5.L21@672.77,325 683.77,314 v1(741,314) ; v2(1029.73,457.73) U6.D7@1055,457.73
  Power4 w4: v1(741,314) 754.5,314 757,316.5 757,332.69 759.5,335.19 764.5,335.19 767,332.69 767,314 769.04,311.96 774.96,311.96 777,314 777,352.69 779.5,355.19 784.5,355.19 787,352.69 787,316.5 789.5,314 795,314 803.84,322.84 803.84,326.37 795,335.21 795,338.75 798.53,342.29 802.07,342.29 820.19,324.17 823.72,324.17 827.26,327.7 827.26,331.24 797.57,360.93 797.57,364.47 801.1,368 804.64,368 825.05,347.59 828.59,347.59 847,366 930,366 935.5,371.5 936.91,372.91 936.91,377.16 931.96,382.11 931.96,386.35 934.79,389.18 939.04,389.18 943.99,384.23 948.23,384.23 953.18,389.18 954,390 954,400 966.5,412.5 985.5,412.5 995.22,422.22 999.11,422.22 1006.57,414.77 1010.46,414.77 1014.35,418.66 1014.35,422.55 1004.95,431.95 983.5,453.39 983.5,457.28 987.39,461.17 991.27,461.17 1010.78,441.67 1014.67,441.67 1029.73,456.73 v2(1029.73,457.73)
SDQ14: U5.M21 U6.C3 | length 757.3
  Top1 w4: U5.M21@672.77,299 673.77,298 v1(776,298) ; v1(916.51,476.73) U6.C3@929.01,489.23
  Bottom6 w4: v1(776,298) 805,298 823,316 851,316 871,336 943,336 1016,263 1051,263 1065,277 1065,304 1052,317 1011,317 992,336 992,406 979,419 962,419 949,432 949,444.24 v1(916.51,476.73)
SDQ15: U5.M19 U6.B8 | length 793.5
  Top1 w4: U5.M19@621.77,299 v1(634.77,286) ; v1(1074.5,508.22) U6.B8@1087,520.72
  Power4 w4: v1(634.77,286) 638.77,282 679,282 732,335 748,335 789,376 823,376 824.6,376 827,378.4 827,410.6 829.4,413 832.6,413 835,410.6 835,378.4 837.4,376 840.6,376 843,378.4 843,410.6 845.4,413 848.6,413 851,410.6 851,378.4 853.4,376 856.6,376 859,378.4 859,410.6 861.4,413 864.6,413 867,410.6 867,378.4 869.4,376 870,376 875,376 897.5,398.5 899.62,400.62 899.62,403.45 899.62,407.69 902.45,410.52 906.69,410.52 908.11,409.11 909.52,407.69 913.76,407.69 916.59,410.52 916.59,414.76 915.18,416.18 913.76,417.59 913.76,421.83 916.59,424.66 920.83,424.66 921,424.5 923.5,424.5 976,477 1027,477 1058.22,508.22 v1(1074.5,508.22)
SDQM0: U5.M20 U6.E7 | length 757.4
  Top1 w4: v1@635.27,311.5 U5.M20@647.77,299 ; v2(1029.73,426.24) U6.E7@1055,426.24
  Bottom6 w4: v1(637.27,308.5) 706.5,308.5 733,335 739,335 743,335 745,335 747.83,337.83 751.79,341.79 755.18,341.79 773,323.97 776.4,323.97 778.66,326.23 778.66,329.63 760.84,347.45 760.84,350.84 764.8,354.8 766,356 770,356 778,356 783.6,356 786,353.6 786,332.8 788.4,330.4 791.6,330.4 794,332.8 794,353.6 796.4,356 799.6,356 802,353.6 802,328.4 804.4,326 807.6,326 810,328.4 810,353.6 812.4,356 815,356 848,356 880,388 880,481 903,504 951.97,504 v2(1029.73,426.24)
SDQM1: U5.G20 U6.D3 | length 839
  Top1 w4: U5.G20@647.77,427.36 659.41,439 717,439 726,448 v1(738,448) ; U6.D3@929.01,457.73 950.27,457.73 v2(969,439)
  Signal2 w4: v1(738,448) 747,439 814,439 833,458 869,458 872,461 873.13,462.13 873.13,465.53 871.56,467.1 871.56,470.49 873.82,472.75 877.22,472.75 880.49,469.49 883.75,466.22 887.15,466.22 889.41,468.48 889.41,471.87 887.84,473.45 887.84,476.84 890.76,479.76 949,538 961.6,538 964,540.4 964,546.04 966.4,548.44 969.6,548.44 972,546.04 972,529.96 974.4,527.56 977.6,527.56 980,529.96 980,546.04 982.4,548.44 985.6,548.44 988,546.04 988,536.31 990.4,533.91 993.6,533.91 996,536.31 996,546.04 998.4,548.44 1001.6,548.44 1004,546.04 1004,540.4 1006.4,538 1081,538 1090,529 1090,462 1071,443 1019,443 1015,439 v2(969,439)
SDQS0_N: U5.R21 U6.G3 | length 831.8
  Top1 w4: U5.R21@672.77,222 670.61,222 667.79,219.19 666.61,219.19 664.27,216.84 664.27,213.53 675.8,202 693.4,202 695.8,204.4 695.8,215.6 698.2,218 701.4,218 703.8,215.6 703.8,204.4 706.2,202 716.66,202 723.66,209 v1(725,209) ; U6.G3@929.01,361.96 U6.G3@929.01,363.24 929.01,364.53 938.19,373.71 962.01,373.71 v2(969.03,366.69)
  Signal2 w4: v1(725,209) 726.34,209 733.34,202 805,202 806.6,202 809,204.4 809,206.6 811.4,209 814.6,209 817,206.6 817,204.4 819.4,202 822.6,202 825,204.4 825,206.6 827.4,209 830.6,209 833,206.6 833,204.4 835.4,202 841,202 845,202 860,202 912.4,254.4 922.51,254.4 953.9,223.01 957.38,223.01 959.56,225.19 959.56,228.66 928.16,260.06 928.16,270.16 942,284 942,289.66 928.94,302.72 928.94,312.82 935.81,319.69 945.91,319.69 960.06,305.54 963.54,305.54 965.72,307.72 965.72,311.19 935.74,341.17 928.74,348.17 928.74,358.28 935.61,365.15 945.71,365.15 952.71,358.15 977.85,333 993,333 1006,346 1006,362.69 995,373.69 976.87,373.69 969.87,366.69 v2(969.03,366.69)